# KiCad board power.kicad_pcb
title: 2023 MUREX Power Board; date: 2023-12-01; rev: V2.0; company: MUREX Robotics [Max Liu]; note: // INNOVATION IS OUR OBSESSION; note: // THINK DIFFERENT. THINK MUREX; note: module designed for ROV applications and other 12V/5V/3.3V DC systems.; note: The MUREX Power Poard is the world's smallest open-source dual output, high power
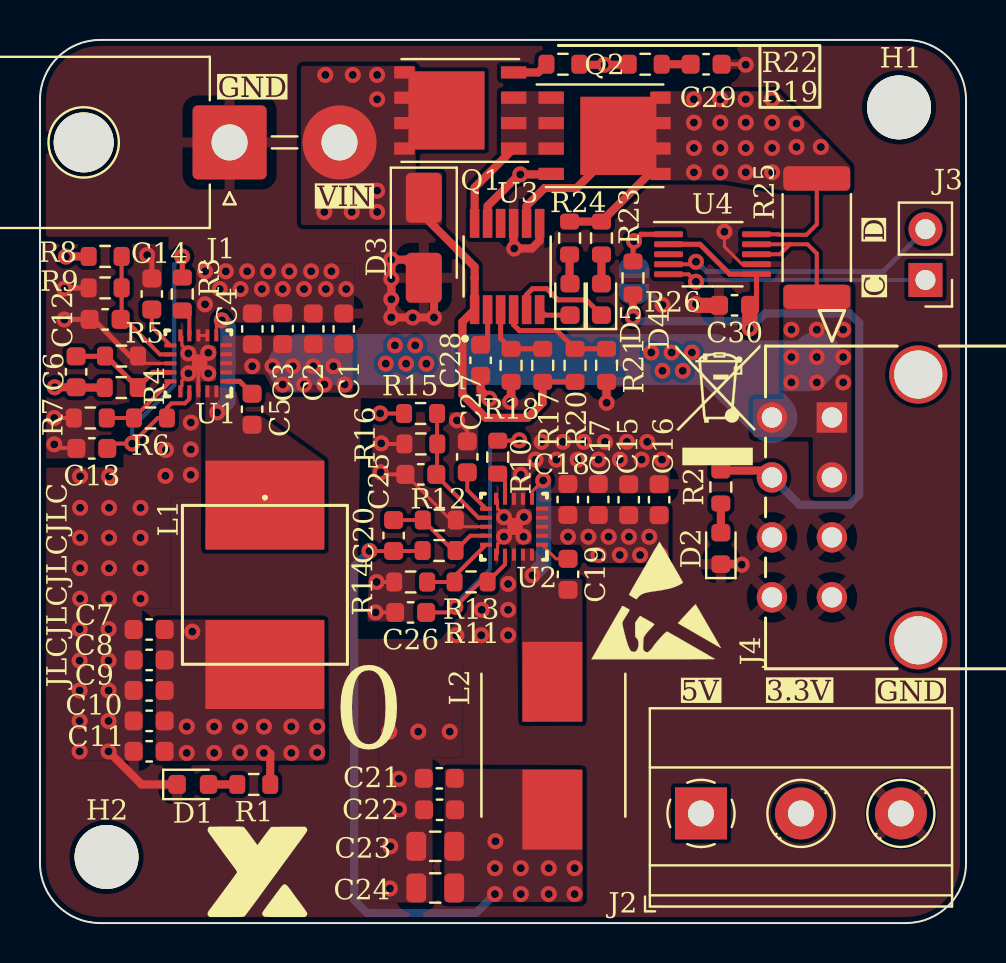
[diagram p0: board, top side]
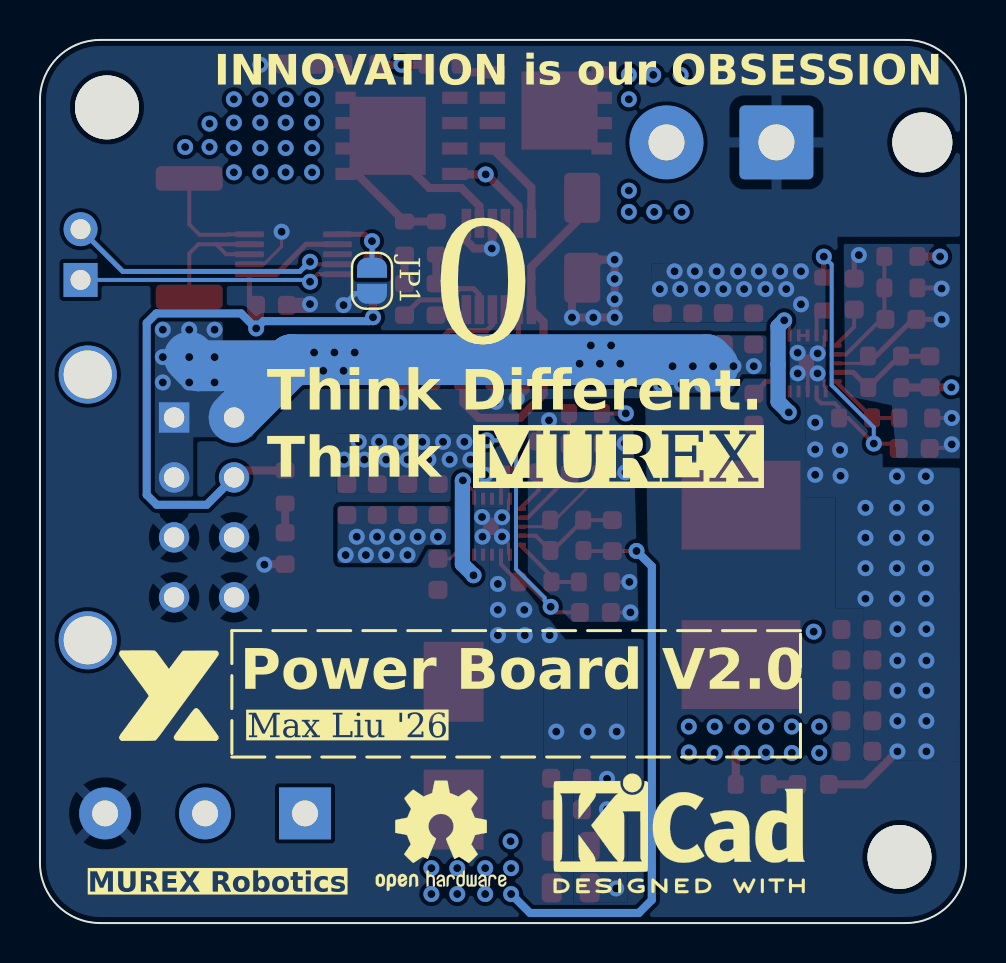
[diagram p1: board, bottom side, seen from below]

Outline 46.33 x 44.2 mm; copper layers: Top, PGND1.Cu (plane), PWR.Cu (plane), Bottom. Coordinates in mm from the lower left corner of the outline.
Outline path: 0,41.2 arc(0.88,43.32) 3,44.2 43.33,44.2 arc(45.45,43.32) 46.33,41.2 46.33,3 arc(45.45,0.88) 43.33,0 3,0 arc(0.88,0.88) 0,3 0,41.2
Stack: Top 0.035mm / dielectric 0.1mm FR4 er 4.5 / PGND1.Cu 0.035mm / dielectric 1.24mm FR4 er 4.5 / PWR.Cu 0.035mm / dielectric 0.1mm FR4 er 4.5 / Bottom 0.035mm

## Placement (name value [footprint] x y rotation side)
C1  22uF  [C_0603_1608Metric]  15.2 29.73 90 top
C2  22uF  [C_0603_1608Metric]  13.67 29.73 90 top
C3  1uF  [C_0603_1608Metric]  12.14 29.75 90 top
C4  0.1uF  [C_0603_1608Metric]  10.63 29.73 90 top
C5  0.1uF  [C_0603_1608Metric]  10.61 25.71 270 top
C6  47pF  [C_0603_1608Metric]  1.81 27.59 90 top
C7  1uF  [C_0603_1608Metric]  5.46 14.69 180 top
C8  22uF  [C_0603_1608Metric]  5.46 13.17 180 top
C9  22uF  [C_0603_1608Metric]  5.46 11.64 180 top
C10  22uF  [C_0603_1608Metric]  5.46 10.12 180 top
C11  22uF  [C_0603_1608Metric]  5.46 8.59 180 top
C12  0.1uF  [C_0603_1608Metric]  3.26 30.21 180 top
C13  1uF  [C_0603_1608Metric]  2.59 23.75 180 top
C14  22nF  [C_0603_1608Metric]  5.6 31.48 90 top
C15  22uF  [C_0603_1608Metric]  29.45 21.19 90 top
C16  22uF  [C_0603_1608Metric]  30.98 21.19 90 top
C17  1uF  [C_0603_1608Metric]  27.93 21.2 90 top
C18  0.1uF  [C_0603_1608Metric]  26.41 21.2 90 top
C19  0.1uF  [C_0603_1608Metric]  26.42 17.45 270 top
C20  56pF  [C_0603_1608Metric]  17.69 19.39 90 top
C21  1uF  [C_0603_1608Metric]  19.98 7.24 180 top
C22  22uF  [C_0603_1608Metric]  19.99 5.67 180 top
C23  100uF  [C_0805_2012Metric]  19.78 3.84 180 top
C24  100uF  [C_0805_2012Metric]  19.78 1.76 180 top
C25  0.1uF  [C_0603_1608Metric]  19.05 22.45 180 top
C26  1uF  [C_0603_1608Metric]  18.54 15.55 180 top
C27  22nF  [C_0603_1608Metric]  21.38 23.33 90 top
C28  0.1uF  [C_0603_1608Metric]  22.04 28.16 90 top
C29  0.1uF  [C_0603_1608Metric]  33.33 42.98 180 top
C30  0.1uF  [C_0603_1608Metric]  34.75 30.91 180 top
D1  LED  [LED_0603_1608Metric]  7.65 6.94 0 top
D2  LED  [LED_0603_1608Metric]  34.06 18.75 90 top
D3  SMAJ14A  [D_SMA]  19.2 34.29 270 top
D4  LED  [LED_0603_1608Metric]  28.09 31.21 90 top
D5  LED  [LED_0603_1608Metric]  26.52 31.21 90 top
G***  LOGO  [10x10mm_Branding]  10.85 2.62 0 top
G***#2  LOGO  [10x10mm_Branding]  39.91 11.44 180 bottom
H1  MountingHole  [MountingHole_3.2mm_M3]  42.98 40.82 0 top
H2  MountingHole  [MountingHole_3.2mm_M3]  3.33 3.31 0 top
J1  Conn_01x02  [Molex_Mega-Fit_76825-0002_2x01_P5.70mm_Horizontal]  9.49 39.07 90 top
J2  Screw_Terminal_01x03  [TerminalBlock_Phoenix_MKDS-1,5-3_1x03_P5.00mm_Horizontal]  33.07 5.49 0 top
J3  Conn_01x02_Pin  [PinHeader_1x02_P2.54mm_Vertical]  44.3 32.19 180 top
J4  Conn_01x08  [CON_430450821_MOL]  39.62 25.3 90 top
JP1  TO_VS  [SolderJumper-2_P1.3mm_Open_RoundedPad1.0x1.5mm]  29.72 32.14 270 bottom
L1  1.8uH  [IND_XAL7070_COC-L]  11.25 16.93 270 top
L2  1.5uH  [WE-HCI_7030_7040_705023]  25.63 8.88 270 top
Q1  SIRA00DP  [PowerPAK_SO-8_Single]  21.03 40.67 180 top
Q2  SIRA00DP  [PowerPAK_SO-8_Single]  28.25 39.4 0 top
R1  1k  [R_0603_1608Metric]  10.7 6.94 180 top
R2  1k  [R_0603_1608Metric]  34.06 21.82 270 top
R3  100k  [R_0603_1608Metric]  7.12 31.48 90 top
R4  226k  [R_0603_1608Metric]  4.07 26.8 0 top
R5  30k  [R_0603_1608Metric]  4.08 28.38 0 top
R6  51k  [R_0603_1608Metric]  5.53 25.28 180 top
R7  51k  [R_0603_1608Metric]  2.52 25.28 180 top
R8  27k  [R_0603_1608Metric]  3.26 33.36 0 top
R9  5.1k  [R_0603_1608Metric]  3.26 31.79 180 top
R10  100k  [R_0603_1608Metric]  22.9 23.32 90 top
R11  91k  [R_0603_1608Metric]  19.97 18.64 0 top
R12  20k  [R_0603_1608Metric]  19.98 20.17 0 top
R13  330k  [R_0603_1608Metric]  21.57 17.07 180 top
R14  5.1k  [R_0603_1608Metric]  18.54 17.07 180 top
R15  10k  [R_0603_1608Metric]  19.04 25.5 0 top
R16  5.1k  [R_0603_1608Metric]  19.05 23.98 180 top
R17  100k  [R_0603_1608Metric]  25.15 27.91 90 top
R18  5.1k  [R_0603_1608Metric]  23.57 27.91 270 top
R19  10k  [R_0603_1608Metric]  30.28 42.98 0 top
R20  100k  [R_0603_1608Metric]  26.77 27.91 90 top
R21  3k  [R_0603_1608Metric]  28.34 27.91 270 top
R22  10  [R_0603_1608Metric]  26.16 42.98 180 top
R23  2.7k  [R_0603_1608Metric]  28.09 34.28 270 top
R24  2.7k  [R_0603_1608Metric]  26.5 34.28 270 top
R25  3mΩ  [R_2512_6332Metric]  38.86 34.3 270 top
R26  10k  [R_0603_1608Metric]  29.67 32.29 90 top
REF**  -  [ESD-Logo_6.6x6mm_SilkScreen]  30.84 16.16 0 top
REF**#2  -  [WEEE-Logo_4.2x6mm_SilkScreen]  33.91 25.94 0 top
REF**#3  -  [OSHW-Logo2_7.3x6mm_SilkScreen]  26.27 4.37 180 bottom
REF**#4  -  [KiCad-Logo2_5mm_SilkScreen]  14.35 4.5 180 bottom
U1  TPS568230RJER  [RJE0020A]  7.92 28.01 180 top
U2  TPS568230RJER  [RJE0020A]  23.71 19.83 180 top
U3  LTC4352CMS  [SOP65P490X110-12N]  23.37 32.86 90 top
U4  INA226  [VSSOP-10_3x3mm_P0.5mm]  33.65 33.47 0 top

## Library data of the parts
C1-C30 = -: ki_fp_filters: C_*
D1 D2 D4 D5 = -: ki_fp_filters: LED* LED_SMD:* LED_THT:*
D3 = -: ki_fp_filters: D*SMA*
H1 H2 = -: ki_fp_filters: MountingHole*
J1 J3 J4 = -: ki_fp_filters: Connector*:*_1x??_*
J2 = -: ki_fp_filters: TerminalBlock*:*
JP1 = -: ki_fp_filters: SolderJumper*Open*
L1 L2 = -: ki_fp_filters: Choke_* *Coil* Inductor_* L_*
Q1 Q2 = -: ki_fp_filters: PowerPAK*SO*Single*
R1-R26 = -: ki_fp_filters: R_*
U1 U2 = -: ki_fp_filters: RJE0020A
U4 = -: ki_fp_filters: VSSOP*3x3mm*P0.5mm*

## Footprints (pads in the part's own frame, mm; a bottom-side part is the same pattern mirrored in y, then rotated)
C_0603_1608Metric
  rrect 0.9x0.95 smd: 1(-0.775,0) 2(0.775,0)
C_0805_2012Metric
  rrect 1x1.45 smd: 1(-0.95,0) 2(0.95,0)
CON_430450821_MOL
  rect 1.52x1.52 hole 1.02: 1(0,0)
  round 1.52 hole 1.02: 2(-3,0) 3(-6,0) 4(-9,0) 5(0,3) 6(-3,3) 7(-6,3) 8(-9,3)
  round 2.91 hole 2.41: P1(2.15,-4.32) P2(-11.15,-4.32)
D_SMA
  rrect 2.5x1.8 smd: 1(-2,0) 2(2,0)
IND_XAL7070_COC-L
  rect 4.448x5.944 smd: 1(-3.989,0) 2(3.989,0)
LED_0603_1608Metric
  rrect 0.875x0.95 smd: 1(-0.787,0) 2(0.787,0)
Molex_Mega-Fit_76825-0002_2x01_P5.70mm_Horizontal
  round 3 hole 3 unplated: (0,7.3)
  rrect 3.7x3.7 hole 1.8: 1(0,0)
  round 3.7 hole 1.8: 2(0,-5.5)
MountingHole_3.2mm_M3
  round 3.2 hole 3.2 unplated: (0,0)
PinHeader_1x02_P2.54mm_Vertical
  rect 1.7x1.7 hole 1: 1(0,0)
  oval 1.7x1.7 hole 1: 2(0,-2.54)
PowerPAK_SO-8_Single
  rect 1.27x0.61 smd: 1(-2.67,1.905) 2(-2.67,0.635) 3(-2.67,-0.635) 4(-2.67,-1.905)
  rect 3.81x3.91 smd: 5(0.69,0)
  rect 1.02x0.61 smd: 5(2.795,1.905) 5(2.795,0.635) 5(2.795,-0.635) 5(2.795,-1.905)
R_0603_1608Metric
  rrect 0.8x0.95 smd: 1(-0.825,0) 2(0.825,0)
R_2512_6332Metric
  rrect 1.225x3.35 smd: 1(-2.962,0) 2(2.962,0)
RJE0020A
  rect 0.6x0.2 smd: 1(-1.4,0.9) 2(-1.4,0.45) 3(-1.4,0) 4(-1.4,-0.45) 5(-1.4,-0.9) 11(1.4,-0.9) 12(1.4,-0.45) 13(1.4,0) 14(1.4,0.45) 15(1.4,0.9)
  rect 0.2x0.6 smd: 6(-0.9,-1.4) 7(-0.45,-1.4) 8(0,-1.4) 9(0.45,-1.4) 10(0.9,-1.4) 16(0.9,1.4) 17(0.45,1.4) 18(0,1.4) 19(-0.45,1.4) 20(-0.9,1.4)
  rect 0.775x0.86 smd: 21(-0.06,-0.018)
SolderJumper-2_P1.3mm_Open_RoundedPad1.0x1.5mm
  custom 1x1.5 smd: 1(-0.65,0) 2(0.65,0)
SOP65P490X110-12N
  rrect 1.45x0.48 smd: 1(-2.16,1.625) 2(-2.16,0.975) 3(-2.16,0.325) 4(-2.16,-0.325) 5(-2.16,-0.975) 6(-2.16,-1.625) 7(2.16,-1.625) 8(2.16,-0.975) 9(2.16,-0.325) 10(2.16,0.325) 11(2.16,0.975) 12(2.16,1.625)
TerminalBlock_Phoenix_MKDS-1,5-3_1x03_P5.00mm_Horizontal
  rect 2.6x2.6 hole 1.3: 1(0,0)
  round 2.6 hole 1.3: 2(5,0) 3(10,0)
VSSOP-10_3x3mm_P0.5mm
  rrect 1.45x0.3 smd: 1(-2.2,1) 2(-2.2,0.5) 3(-2.2,0) 4(-2.2,-0.5) 5(-2.2,-1) 6(2.2,-1) 7(2.2,-0.5) 8(2.2,0) 9(2.2,0.5) 10(2.2,1)
WE-HCI_7030_7040_705023
  rect 4x3 smd: 1(-3.2,0) 2(3.2,0)

## Nets
/+3.3V: C20.1 C21.1 C22.1 C23.1 C24.1 C30.1 J2.2 J4.6 L2.2 R2.1 R11.1 R26.1 U4.2 U4.6
/Ideal Diode Controller/VIN: D3.1 J1.2 Q1.5 R17.1 R20.1 U3.1
/Stage 1 Step Down/VCC: C13.1 R3.2 R6.1 U1.17
/Stage 2 Step Down/VCC: C26.1 R10.2 R13.1 U2.17
/Stage 2 Step Down/VIN: C6.1 C7.1 C8.1 C9.1 C10.1 C11.1 C15.1 C16.1 C17.1 C18.1 J2.1 L1.2 R1.1 R4.1 R15.1 U2.2 U2.3 U2.4 U2.5
/VIN+: Q2.5 R23.1 R24.1 R25.1 U3.8 U4.10
/VIN-: C1.1 C2.1 C3.1 C4.1 J4.1 J4.2 J4.5 R8.1 R25.2 U1.2 U1.3 U1.4 U1.5 U4.8 U4.9
GND: C1.2 C2.2 C3.2 C4.2 C7.2 C8.2 C9.2 C10.2 C11.2 C12.2 C13.2 C14.2 C15.2 C16.2 C17.2 C18.2 C21.2 C22.2 C23.2 C24.2 C25.2 C26.2 C27.2 C28.1 C29.1 C30.2 D1.1 D2.1 D3.2 J1.1 J2.3 J4.3 J4.4 J4.7 J4.8 JP1.2 R5.2 R7.2 R9.2 R12.2 R14.2 R16.2 R18.2 R21.2 U1.7 U1.8 U1.10 U1.13 U1.16 U1.18 U1.21 U2.7 U2.8 U2.10 U2.13 U2.16 U2.18 U2.21 U3.7 U3.9 U4.7
/Ideal Diode Controller/FAULT: D5.1 U3.6
/Ideal Diode Controller/GATE: Q2.4 R19.1 R22.1 U3.11
/Ideal Diode Controller/OV: R20.2 R21.1 U3.4
/Ideal Diode Controller/SOURCE: Q1.1 Q1.2 Q1.3 Q2.1 Q2.2 Q2.3 U3.12
/Ideal Diode Controller/STATUS: D4.1 U3.5
/Ideal Diode Controller/UV: R17.2 R18.1 U3.3
/SCL: J3.1 U4.5
/SDA: J3.2 U4.4
/Stage 1 Step Down/BST: C5.1 U1.1
/Stage 1 Step Down/EN: C12.1 R8.2 R9.1 U1.12
/Stage 1 Step Down/FB: C6.2 R4.2 R5.1 U1.14
/Stage 1 Step Down/MODE: R6.2 R7.1 U1.15
/Stage 1 Step Down/PGOOD: R3.1 U1.9
/Stage 1 Step Down/SS: C14.1 U1.11
/Stage 1 Step Down/SW: C5.2 L1.1 U1.6 U1.19 U1.20
/Stage 2 Step Down/BST: C19.1 U2.1
/Stage 2 Step Down/EN: C25.1 R15.2 R16.1 U2.12
/Stage 2 Step Down/FB: C20.2 R11.2 R12.1 U2.14
/Stage 2 Step Down/MODE: R13.2 R14.1 U2.15
/Stage 2 Step Down/PGOOD: R10.1 U2.9
/Stage 2 Step Down/SS: C27.1 U2.11
/Stage 2 Step Down/SW: C19.2 L2.1 U2.6 U2.19 U2.20
Net-(C29-Pad2): C29.2 R19.2
Net-(D1-A): D1.2 R1.2
Net-(D2-A): D2.2 R2.2
Net-(D4-A): D4.2 R23.2
Net-(D5-A): D5.2 R24.2
Net-(JP1-A): JP1.1 R26.2 U4.1
Net-(Q1-G): Q1.4 R22.2
Net-(U3-VCC): C28.2 U3.2

Pads without a net: J4 P1 P2; U3 10; U4 3

## Via types
v1: diameter 0.8, hole 0.4, Top to Bottom, 209 vias

## Routing (per net, layer and track width the routed paths; a pad name or vN(x,y) marks a point on that pad's centre or on a via; arc(x,y) is an arc through that point)
/+3.3V: length 99.9
  Top w0.2: v1(16.49,18.62) 16.49,18.62 C20.1 19.12,18.62 R11.1
  Top w0.254: C30.1 35.85,31.24 U4.6 34.51,32.47 33.01,33.97 U4.2
  Top w0.406: R2.1 36.27,22.65 J4.6 ; v1(29.67,30.32) 29.67,30.32 R26.1
  Top w0.762: v1(35.51,29.76) 35.51,30.9 C30.1
  PWR.Cu w2.54: v1(25.45,2.75) 25.48,2.72 35.3,2.72 J2.2 33.23,10.32 33.23,19.27 36.27,22.3 J4.6
  Bottom w0.406: v1(22.76,1.45) 21.81,0.5 16.37,0.5 15.72,1.15 15.72,17.86 v1(16.49,18.62) ; v1(29.67,30.32) 29.86,30.12 35.15,30.12 v1(35.51,29.76) 36.26,30.51 40.51,30.51 40.99,30.03 40.99,21.43 40.49,20.93 37.99,20.93 J4.6
  vias: v1(22.76,2.75) v1(22.79,4.09) v1(24.06,2.75) v1(24.06,1.45) v1(25.45,1.45) v1(26.75,2.75) v1(26.75,1.45)
/Ideal Diode Controller/VIN: length 18.6
  Top w0.254: R20.1 R17.1
  Top w0.406: R17.1 25.15,27.08 25.15,26.04 24.4,25.29 22.3,25.29 21.13,26.45 21.13,30.09 U3.1 21.74,30.7 21.74,32.29 21.75,32.29 21.75,32.84 19.2,35.39 D3.1
  vias: v1(14.28,42.45) v1(14.23,35.59) v1(15.65,42.45) v1(15.6,35.59) v1(16.87,42.45) v1(16.87,41.23) v1(16.87,36.66) v1(16.87,35.59)
/Stage 1 Step Down/VCC: length 17.2
  Top w0.2: 3.37,23.78 3.59,24 v1(4.61,24) 5.89,25.28 R6.1 6.35,25.78 6.58,26.01 7.25,26.01 7.47,26.24 U1.17
  Top w0.254: R3.2 7.12,33.35 v1(7.11,33.35)
  Bottom w0.2: v1(4.61,24) 4.61,24.81 6.72,26.92 6.72,32.96 v1(7.11,33.35)
/Stage 2 Step Down/VCC: length 16.8
  Top w0.2: U2.17 23.26,17.94 R13.1 22.02,17.07 v1(20.78,15.83) 20.5,15.55 C26.1 ; R10.2 23.96,24.14 v1(23.98,24.16)
  Bottom w0.2: v1(20.78,15.83) 21.08,16.13 21.08,16.28 22.51,17.71 22.51,23.73 22.94,24.16 v1(23.98,24.16)
/Stage 2 Step Down/VIN: length 72.7
  Top w0.2: v1(17.02,25.51) 17.02,25.5 R15.1
  Top w0.406: v1(0.74,26.81) C6.1 1.82,26.8 R4.1 ; 11.48,8.51 11.52,8.47 R1.1
  PWR.Cu w0.406: v1(13.87,9.83) 13.87,22.36 v1(17.02,25.51) ; v1(7.62,14.58) 5.97,16.23 5.97,21.5 0.74,26.74 v1(0.74,26.81)
  PWR.Cu w2.54: v1(29.47,19.33) 29.59,19.21 29.59,14.84 26.47,11.71 ; v1(10.01,9.83) 11.89,11.71 26.47,11.71 ; 26.47,11.71 32.7,5.49 J2.1
  vias: v1(7.34,9.83) v1(7.34,8.51) v1(8.71,9.83) v1(8.71,8.51) v1(10.01,8.54) v1(11.2,9.83) v1(11.2,8.51) v1(12.57,9.83) v1(12.57,8.51) v1(13.87,8.54) v1(26.42,19.33) v1(27.43,19.33) v1(27.94,18.42) v1(28.45,19.33) v1(29.01,18.42) v1(30.02,18.42) v1(30.48,19.33) v1(31.04,18.42)
/VIN+: length 18.2
  Top w0.2: U4.10 36.94,34.47 36.96,34.45 38.34,34.45 38.86,34.96 38.86,37.18
  Top w0.406: R24.1 R23.1 30.48,37.49 Q2.5 ; Q2.5 28.94,38.87 26.85,36.79 25.25,36.79 24.35,35.89 U3.8
  vias: v1(32.72,41.23) v1(32.72,40.06) v1(32.72,38.79) v1(32.72,37.57) v1(34.04,41.23) v1(34.04,40.06) v1(34.04,38.79) v1(34.04,37.57) v1(35.31,41.23) v1(35.31,40.06) v1(35.31,38.79) v1(35.31,37.57) v1(36.63,41.23) v1(36.63,40.06) v1(36.63,38.79) v1(36.63,37.57) v1(37.85,40.01) v1(37.85,38.84) v1(39.07,38.84)
/VIN-: length 81.4
  Top w0.2: 37.52,33.97 37.02,33.47 U4.8 ; 37.52,33.97 38.4,33.97 38.86,33.51 38.86,31.25 ; 37.52,33.97 U4.9
  Top w0.406: R8.1 1.3,33.36 v1(1.3,33.35)
  PWR.Cu w0.406: v1(1.3,33.35) 5.29,29.36 9.13,29.36 v1(10.62,27.87)
  PWR.Cu w2.54: J4.5 33.81,28.11 ; 33.81,28.11 34.03,27.89 38.43,27.89 v1(38.86,28.32) ; 33.81,28.11 12.9,28.11 v1(12.65,27.87)
  Bottom w2.54: 33.72,28.2 34.03,27.89 38.43,27.89 v1(38.86,28.32) ; 33.72,28.2 12.98,28.2 v1(12.65,27.87) ; 33.72,28.2 J4.5
  vias: v1(11.64,27.87) v1(12.14,26.95) v1(13.21,26.95) v1(13.67,27.87) v1(14.23,26.95) v1(14.68,27.87) v1(15.24,26.95) v1(17.3,27.99) v1(17.76,28.91) v1(18.32,27.99) v1(18.77,28.91) v1(19.33,27.99) v1(30.58,28.55) v1(31.14,27.64) v1(31.6,28.55) v1(32.16,27.64) v1(32.62,28.55) v1(37.59,29.7) v1(37.59,28.32) v1(37.59,27.05) v1(38.86,29.7) v1(38.86,27.05) v1(40.18,29.7) v1(40.18,28.32) v1(40.18,27.05)
GND: length 68.1
  Top w0.15: U2.13 21.14,19.83 R12.2 20.56,20.17 C25.2 ; U2.16 22.89,18.51 22.89,18.97 U2.21 ; U2.21 22.89,20.74 22.89,21.16 U2.10 ; U2.21 23.77,19.75 v1(24.19,19.33) ; U2.21 23.73,19.85 v1(23.21,19.34) ; U2.21 23.67,19.85 v1(23.21,20.31) ; U2.21 23.77,19.88 v1(24.21,20.32) ; U1.16 7.02,26.82 7.1,26.9 7.1,27.14 U1.21 ; R5.2 5.27,28.01 U1.13 ; U1.21 7.98,27.94 v1(8.42,27.51) ; U1.21 7.58,28.43 7.47,28.43 7.47,28.54 7.1,28.91 7.1,29.33 U1.10 ; U1.21 7.95,28.03 v1(7.43,27.51) ; U1.21 7.98,28.1 v1(8.42,28.54) ; U1.21 7.91,28.03 v1(7.42,28.51) ; U4.7 35.12,32.97 34.24,33.85 v1(34.24,34.6) ; U1.7 U1.8
  Top w0.2: U1.21 7.92,27.97 U1.18 ; v1(16.79,15.55) 17.77,15.55 ; v1(20.86,25.16) 21.38,24.64 C27.2 ; 1.82,23.78 0.89,23.78 v1(0.71,23.96) ; v1(16.84,17.07) R14.2 ; R16.2 17.1,23.98 v1(17.07,24.01) ; C29.1 35.28,42.98 v1(35.31,42.95) ; v1(17.05,22.56) 17.15,22.45 C25.2 ; R7.2 v1(0.71,25.28)
  Top w0.254: R9.2 1.25,31.79 v1(1.22,31.75) ; R5.2 4.5,28.38 2.67,30.21 C12.2 1.23,30.21 v1(1.22,30.2) ; v1(5.36,33.43) 5.6,33.2 C14.2
  Top w0.406: D1.1 5.08,6.94 v1(3.43,8.59) ; R21.2 28.34,26.04 v1(28.35,26.04) ; U3.7 25,34.15 24.61,33.76 v1(23.73,33.76) 23.7,33.79 U3.9 ; v1(23.52,26.09) 23.57,26.14 R18.2 ; C28.1 22.04,26.68 v1(22.48,26.24) ; D2.1 35.08,17.96 v1(35.1,17.94) ; v1(17.58,30.31) v1(19.71,30.31) 19.71,31.78 D3.2 18.3,33.2 v1(17.58,33.2) v1(17.58,30.31)
  Top w0.762: v1(32.82,30.98) 32.88,30.91 C30.2
  PGND1.Cu w0.762: 17.58,13.59 17.77,13.79 17.77,15.62 ; v1(2.01,22.36) 2.01,23.68
  Bottom w0.254: JP1.2 30.58,31.49 v1(31.14,30.93)
  vias: v1(2.01,20.78) v1(2.01,19.28) v1(2.01,17.76) v1(2.01,16.23) v1(1.98,14.71) v1(1.98,13.14) v1(1.98,11.64) v1(1.98,10.11) v1(1.98,8.59) v1(3.46,22.36) v1(3.46,20.78) v1(3.46,19.28) v1(3.46,17.76) v1(3.46,16.23) v1(3.43,14.71) v1(3.43,13.14) v1(3.43,11.64) v1(3.43,10.11) v1(5.03,20.78) v1(5.03,19.28) v1(5.03,17.76) v1(5.03,16.23) v1(6.28,22.38) v1(6.3,23.68) v1(7.55,25.05) v1(7.55,23.7) v1(7.55,22.43) v1(8.26,32.62) v1(8.26,30.97) v1(8.99,31.73) v1(9.3,32.62) v1(10.03,31.73) v1(10.37,32.62) v1(11.1,31.73) v1(11.41,32.62) v1(12.14,31.73) v1(12.47,32.62) v1(13.21,31.73) v1(13.57,32.62) v1(14.3,31.73) v1(14.58,32.62) v1(15.32,31.73) v1(17.48,9.58) v1(17.58,32.24) v1(17.58,31.22) v1(17.53,3.84) v1(17.5,1.73) v1(17.96,7.22) v1(17.96,5.69) v1(18.65,30.31) v1(18.92,9.58) v1(20.5,9.58) v1(20.83,14.41) v1(22.07,14.41) v1(22.1,15.68) v1(23.42,16.97) v1(23.42,15.68) v1(23.42,14.41) v1(24.06,22.43) v1(24.79,23.19) v1(25.1,24.08) v1(25.83,23.19) v1(26.16,24.08) v1(26.9,23.19) v1(27.21,24.08) v1(27.94,23.19) v1(28.27,24.08) v1(29.01,23.19) v1(29.36,24.08) v1(30.1,23.19) v1(30.38,24.08) v1(31.12,23.19)
/Ideal Diode Controller/FAULT: length 1.6
  Top w0.25: U3.6 25.27,30.42 D5.1
/Ideal Diode Controller/GATE: length 14.4
  Top w0.406: R22.1 27.01,42.95 v1(28.25,42.95) 29.43,42.95 R19.1 ; Q2.4 25.55,37.47 v1(24.03,37.47) 23.98,37.47 22.4,35.89 U3.11
  PWR.Cu w0.406: v1(24.03,37.47) 28.25,41.68 v1(28.25,42.95)
/Ideal Diode Controller/OV: length 5.9
  Top w0.254: R21.1 R20.2 25.86,29.65 23.99,29.65 23.7,29.94 U3.4
/Ideal Diode Controller/SOURCE: length 4.6
  Top w0.406: Q1.1 21.75,36.81 U3.12
/Ideal Diode Controller/STATUS: length 5.2
  Top w0.25: D4.1 27.33,31.19 25.91,31.19 25.35,31.75 24.64,31.75 24.35,31.46 U3.5
/Ideal Diode Controller/UV: length 3.8
  Top w0.254: U3.3 23.05,29.26 R18.1 R17.2
/SCL: length 13
  Top w0.2: U4.5 32.44,32.47 v1(32.82,32.1)
  Bottom w0.2: J3.1 32.91,32.19 v1(32.82,32.1)
/SDA: length 14
  Top w0.2: U4.4 32.69,32.97 v1(32.82,33.1)
  Bottom w0.25: J3.2 42.18,32.61 33.33,32.61 33.12,32.82 33.09,32.82 v1(32.82,33.1)
/Stage 1 Step Down/BST: length 1.5
  Top w0.25: U1.1 9.99,27.11 C5.1
/Stage 1 Step Down/EN: length 6.4
  Top w0.2: R8.2 4.08,30.26 C12.1 4.25,30.21 6,28.46 U1.12
/Stage 1 Step Down/FB: length 5.7
  Top w0.25: C6.2 3.24,28.36 R5.1 3.32,28.38 4.89,26.8 5.65,27.56 U1.14
/Stage 1 Step Down/MODE: length 3.9
  Top w0.2: U1.15 4.7,25.29 R6.2 R7.1
/Stage 1 Step Down/PGOOD: length 1.4
  Top w0.2: R3.1 7.47,30.3 U1.9
/Stage 1 Step Down/SS: length 2.2
  Top w0.2: C14.1 5.6,29.84 U1.11
/Stage 1 Step Down/SW: length 5.8
  Top w0.15: v1(9.1,30.16) 8.82,29.89 U1.6
  Bottom w0.762: v1(9.1,30.16) 9.41,29.85 9.41,27.95 9.4,27.94 9.4,26.09 v1(8.87,25.56)
/Stage 2 Step Down/BST: length 1.6
  Top w0.15: C19.1 25.82,18.23 U2.1
/Stage 2 Step Down/EN: length 6.5
  Top w0.2: R15.2 19.87,22.49 C25.1 19.83,22.4 21.94,20.28 U2.12
/Stage 2 Step Down/FB: length 5.6
  Top w0.2: U2.14 21.53,19.39 R11.2 20.68,18.64 R12.1 C20.2
/Stage 2 Step Down/MODE: length 3.9
  Top w0.2: U2.15 20.74,17.36 R13.2 20.74,17.07 19.37,17.07
/Stage 2 Step Down/PGOOD: length 1.4
  Top w0.2: R10.1 23.26,22.13 U2.9
/Stage 2 Step Down/SS: length 2.2
  Top w0.2: C27.1 21.38,21.67 U2.11
/Stage 2 Step Down/SW: length 6.1
  Top w0.15: U2.6 24.61,21.59 v1(25.17,22.15)
  Bottom w0.762: v1(24.64,17.4) 25.2,17.96 25.2,22.13 v1(25.17,22.15)
Net-(C29-Pad2): length 1.4
  Top w0.406: R19.2 C29.2
Net-(D1-A): length 1.4
  Top w0.406: R1.2 D1.2
Net-(D2-A): length 1.5
  Top w0.406: R2.2 D2.2
Net-(D4-A): length 1.5
  Top w0.406: D4.2 28.09,32 R23.2
Net-(D5-A): length 1.5
  Top w0.406: D5.2 26.5,32.02 R24.2
Net-(JP1-A): length 4.2
  Top w0.254: R26.2 29.67,34.07 v1(29.72,34.13) 30.06,34.47 U4.1
  Bottom w0.254: JP1.1 29.72,32.8 v1(29.72,34.13)
Net-(Q1-G): length 1.8
  Top w0.406: R22.2 24.93,42.57 Q1.4
Net-(U3-VCC): length 1.9
  Top w0.254: C28.2 22.4,29.29 U3.2

## Copper pours and planes (outline as drawn; the poured copper is in the pictures)
/+3.3V on Top, PWR.Cu: 20.25,7.73 27.15,7.7 27.15,1.04 20.22,1.04
/Ideal Diode Controller/VIN on Top, PWR.Cu: 18.8,42.9 13.06,42.9 13.06,34.93 20.12,34.93 20.12,37.57 18.8,37.57
/Stage 2 Step Down/VIN on Top, Bottom, PWR.Cu: 24.82,20.87 24.82,18.93 27.03,18.93 27.54,18.01 31.45,18.01 31.45,20.87
/Stage 2 Step Down/VIN on Top, PWR.Cu: 5.79,8.11 14.25,8.13 14.23,15.19 5.79,15.19
/VIN+ on Top, PWR.Cu: 30.53,41.63 30.53,37.16 34.19,37.16 37.19,36.66 40.54,36.66 40.54,37.87 36.88,41.63
/VIN- on Top, Bottom, PWR.Cu: 40.59,31.93 40.59,21.31 38.66,21.31 38.66,24.31 35.66,24.31 35.66,26.24 37.19,26.24 37.19,31.93
/VIN- on Top, Bottom, PWR.Cu: 9.02,29.41 9.02,27.46 11.23,27.46 11.74,26.55 15.65,26.55 15.65,29.41
GND on Top, Bottom, PGND1.Cu: 5.13,8.13 5.11,15.75 6.53,15.75 6.53,21.29 8,21.29 8.03,27.71 7.06,27.74 7.01,26.37 4.19,25.48 4.17,22.81 0.33,22.79 0.36,8.11
GND on Top, Bottom, PGND1.Cu: 7.01,28.91 7.04,27.11 8.82,27.11 8.82,28.91
GND on Top, Bottom, PGND1.Cu: 23.83,18.75 23.83,13.11 21.13,13.11 21.13,8.28 19.64,8.28 19.64,1.02 16.94,1.02 16.92,14.23 20.04,14.2 22.79,17.55 22.81,20.07 23.85,20.04
GND on Top, Bottom, PGND1.Cu: 7.01,27.64 7.06,33.05 15.72,33.02 15.7,30.05 8.49,30.05 8.49,27.61
GND on Top, Bottom, PGND1.Cu: 22.81,19.1 22.86,24.51 31.52,24.49 31.5,21.52 24.28,21.52 24.28,19.08
GND on Top, Bottom, PGND1.Cu: 6.12,33.99 6.05,26.39 3.71,25.91 3.48,23.27 0.31,23.24 0.31,33.99
GND on Top, Bottom, PGND1.Cu: 16.38,15.09 19.69,15.07 21.92,17.38 21.92,25.58 16.66,25.58
GND on Top, Bottom, PGND1.Cu: 22.8,20.74 22.82,18.93 24.6,18.93 24.6,20.74
GND on Top, Bottom, PGND1.Cu, PWR.Cu: -0.79,45.14 -0.81,34.34 6.43,34.34 6.35,25.53 4.19,25.48 4.17,22.81 -0.4,22.79 -0.43,-0.81 47.14,-0.81 47.09,25.56 22.38,25.61 22.46,17.25 20.04,14.2 16.92,14.23 15.85,14.23 16.05,26.27 21.82,26.22 22.91,25.4 47.04,25.4 46.76,45.04
/Ideal Diode Controller/SOURCE on Top: 23.07,41.63 23.07,38.43 26.21,38.43 26.21,41.63
/Stage 1 Step Down/SW on Top: 8.28,26.9 8.26,18.7 14.23,18.7 14.23,23.14 11.08,25.38 10.14,25.38 9.83,26.6 8.92,26.9
/Stage 2 Step Down/SW on Top: 27.15,10.09 24.13,10.06 24.06,18.75 24.72,18.75 25.99,17.22 27.13,17.22

## Text on the board
B.Silkscreen: MUREX Robotics | Max Liu '26 | INNOVATION is our OBSESSION | Think Different. / Think        . | Power Board V2.0 | MUREX | 0
F.Silkscreen: GND | VIN | 5V | 3.3V | JLCJLCJLCJLC | D | C | 0
